# Allegro board SDHCalFEB.brd (continued)
## Placement (name value [footprint] x y rotation side) (continued)
R1658  1M  [SR0603_1M]  60.71 254.47 270 top
R1659  1M  [SR0603_1M]  132.96 252.7 180 top
R1660  1M  [SR0603_1M]  52.95 252.7 180 top
R1661  1M  [SR0603_1M]  201.43 252.68 0 top
R1662  1M  [SR0603_1M]  121.45 252.66 0 top
R1663  1M  [SR0603_1M]  41.44 252.68 0 top
R1664  1M  [SR0603_1M]  192.9 253.67 0 top
R1665  1M  [SR0603_1M]  112.91 253.7 0 top
R1666  1M  [SR0603_1M]  332.96 241.68 180 top
R1667  1M  [SR0603_1M]  181.44 251.77 0 top
R1668  1M  [SR0603_1M]  322.95 242.69 180 top
R1669  1M  [SR0603_1M]  173.96 240.71 180 top
R1670  1M  [SR0603_1M]  71.43 242.7 0 top
R1671  1M  [SR0603_1M]  161.43 242.7 0 top
R1672  1M  [SR0603_1M]  62.96 242.69 180 top
R1673  1M  [SR0603_1M]  231.43 242.68 0 top
R1674  1M  [SR0603_1M]  151.44 242.68 0 top
R1675  1M  [SR0603_1M]  292.95 242.69 180 top
R1676  1M  [SR0603_1M]  221.45 242.7 0 top
R1677  1M  [SR0603_1M]  141.44 242.7 0 top
R1678  1M  [SR0603_1M]  282.93 245.2 270 top
R1679  1M  [SR0603_1M]  212.97 242.69 180 top
R1680  1M  [SR0603_1M]  271.94 242.19 0 top
R1681  1M  [SR0603_1M]  82.97 229.23 180 top
R1682  1M  [SR0603_1M]  261.91 242.19 0 top
R1683  1M  [SR0603_1M]  111.95 242.19 0 top
R1684  1M  [SR0603_1M]  78.06 232.19 0 top
R1685  1M  [SR0603_1M]  334.43 233.19 180 top
R1686  1M  [SR0603_1M]  101.91 242.19 0 top
R1687  1M  [SR0603_1M]  30.33 244.01 270 top
R1688  1M  [SR0603_1M]  324.3 232.23 180 top
R1689  1M  [SR0603_1M]  251.46 235.22 270 top
R1690  1M  [SR0603_1M]  319.26 232.98 270 top
R1691  1M  [SR0603_1M]  92.95 252.7 180 top
R1692  1M  [SR0603_1M]  80.74 249.95 90 top
R1693  1M  [SR0603_1M]  150.73 254.45 270 top
R1694  1M  [SR0603_1M]  141.49 253.72 180 top
R1695  1M  [SR0603_1M]  212.97 252.7 180 top
R1696  1M  [SR0603_1M]  272.93 253.7 0 top
R1697  1M  [SR0603_1M]  261.45 251.72 0 top
R1698  1M  [SR0603_1M]  81.44 242.68 0 top
R1699  1M  [SR0603_1M]  253.19 241.49 270 top
R1700  1M  [SR0603_1M]  312.97 242.67 180 top
R1701  1M  [SR0603_1M]  241.44 242.7 0 top
R1702  1M  [SR0603_1M]  301.43 242.68 0 top
R1703  1M  [SR0603_1M]  90.69 234.45 0 top
R1704  1M  [SR0603_1M]  122.95 242.69 180 top
R1705  1M  [SR0603_1M]  220.73 254.45 270 top
R1706  1M  [SR0603_1M]  42.97 242.69 180 top
R1707  1M  [SR0603_1M]  191.93 242.19 0 top
R1708  1M  [SR0603_1M]  181.95 242.19 0 top
R1709  1M  [SR0603_1M]  240.47 230.74 0 top
R1710  1M  [SR0603_1M]  160.73 249.95 90 top
R1711  1M  [SR0603_1M]  281.44 252.68 0 top
R1712  1M  [SR0603_1M]  93.17 241.49 270 top
R1713  1M  [SR0603_1M]  101.43 251.69 0 top
R1714  1M  [SR0603_1M]  52.95 242.69 180 top
R1715  1M  [SR0603_1M]  132.96 242.69 180 top
R1716  1M  [SR0603_1M]  202.96 242.69 180 top
R1717  1M  [SR0603_1M]  169.71 234.42 0 top
R1718  1M  [SR0603_1M]  32.92 242.94 270 top
R1719  1M  [SR0603_1M]  160.46 230.74 0 top
R1720  1M  [SR0603_1M]  43.67 234.46 270 top
R1721  1M  [SR0603_1M]  258.67 230.69 90 top
R1722  1M  [SR0603_1M]  238.11 232.21 0 top
R1723  1M  [SR0603_1M]  158.38 232.19 0 top
R1724  1M  [SR0603_1M]  91.2 221.44 0 top
R1725  1M  [SR0603_1M]  257.59 240.25 270 top
R1726  1M  [SR0603_1M]  178.63 230.77 90 top
R1727  1M  [SR0603_1M]  98.73 230.67 90 top
R1728  1M  [SR0603_1M]  81.96 220.71 90 top
R1729  1M  [SR0603_1M]  282.68 234.46 270 top
R1730  1M  [SR0603_1M]  177.7 240.38 270 top
R1731  1M  [SR0603_1M]  97.84 240.4 270 top
R1732  1M  [SR0603_1M]  95.77 238.08 0 top
R1733  1M  [SR0603_1M]  274.65 231.43 90 top
R1734  1M  [SR0603_1M]  202.67 234.46 270 top
R1735  1M  [SR0603_1M]  122.69 234.46 270 top
R1736  1M  [SR0603_1M]  24.16 242.31 270 top
R1737  1M  [SR0603_1M]  260.44 233.68 0 top
R1738  1M  [SR0603_1M]  194.66 231.45 90 top
R1739  1M  [SR0603_1M]  114.66 232.96 270 top
R1740  1M  [SR0603_1M]  21.52 218.8 0 top
R1741  1M  [SR0603_1M]  330.74 224.45 270 top
R1742  1M  [SR0603_1M]  180.4 233.68 0 top
R1743  1M  [SR0603_1M]  100.42 233.68 0 top
R1744  1M  [SR0603_1M]  21.49 242.31 270 top
R1745  1M  [SR0603_1M]  321.19 222.94 0 top
R1746  1M  [SR0603_1M]  252.43 222.24 270 top
R1747  1M  [SR0603_1M]  173.19 221.46 180 top
R1748  1M  [SR0603_1M]  93.77 211.53 180 top
R1749  1M  [SR0603_1M]  325.39 225.67 180 top
R1750  1M  [SR0603_1M]  241.18 221.47 0 top
R1751  1M  [SR0603_1M]  162.94 219.21 90 top
R1752  1M  [SR0603_1M]  83.71 211.58 180 top
R1753  1M  [SR0603_1M]  260.31 225.94 0 top
R1754  1M  [SR0603_1M]  255.81 237.77 0 top
R1755  1M  [SR0603_1M]  176.02 228.96 90 top
R1756  1M  [SR0603_1M]  86.79 211.85 90 top
R1757  1M  [SR0603_1M]  274.08 224.81 180 top
R1758  1M  [SR0603_1M]  184.12 226.36 180 top
R1759  1M  [SR0603_1M]  99.09 227.49 0 top
R1760  1M  [SR0603_1M]  24.1 191.98 90 top
R1761  1M  [SR0603_1M]  272.47 222.06 270 top
R1762  1M  [SR0603_1M]  195.11 223.85 180 top
R1763  1M  [SR0603_1M]  113.99 224.86 180 top
R1764  1M  [SR0603_1M]  21.23 192.01 90 top
R1765  1M  [SR0603_1M]  269.94 223.17 0 top
R1766  1M  [SR0603_1M]  194.2 220.02 90 top
R1767  1M  [SR0603_1M]  114.09 220.15 90 top
R1768  1M  [SR0603_1M]  21.68 216.16 0 top
R1769  1M  [SR0603_1M]  259.95 223.73 0 top
R1770  1M  [SR0603_1M]  191.72 221.42 90 top
R1771  1M  [SR0603_1M]  111.73 221.45 90 top
R1772  1M  [SR0603_1M]  91.96 202.21 0 top
R1773  1M  [SR0603_1M]  328.22 212.97 270 top
R1774  1M  [SR0603_1M]  180.68 221.47 0 top
R1775  1M  [SR0603_1M]  100.69 221.44 0 top
R1776  1M  [SR0603_1M]  85.41 200.71 180 top
R1777  1M  [SR0603_1M]  321.45 212.68 0 top
R1778  1M  [SR0603_1M]  252.95 209.75 180 top
R1779  1M  [SR0603_1M]  172.72 211.44 90 top
R1780  1M  [SR0603_1M]  78.84 199.93 90 top
R1781  1M  [SR0603_1M]  328.63 209.74 270 top
R1782  1M  [SR0603_1M]  243.61 209.91 90 top
R1783  1M  [SR0603_1M]  162.71 211.44 90 top
R1784  1M  [SR0603_1M]  32.79 191.78 90 top
R1785  1M  [SR0603_1M]  264.4 207.01 0 top
R1786  1M  [SR0603_1M]  245.11 209.66 90 top
R1787  1M  [SR0603_1M]  171.15 213.22 270 top
R1788  1M  [SR0603_1M]  30.27 190.51 90 top
R1789  1M  [SR0603_1M]  257.26 207.85 0 top
R1790  1M  [SR0603_1M]  192.68 207.74 180 top
R1791  1M  [SR0603_1M]  112.69 207.82 180 top
R1792  1M  [SR0603_1M]  42.97 201.7 180 top
R1793  1M  [SR0603_1M]  274.84 209.58 0 top
R1794  1M  [SR0603_1M]  184.18 208.71 270 top
R1795  1M  [SR0603_1M]  104.42 208.86 270 top
R1796  1M  [SR0603_1M]  94.46 190.73 180 top
R1797  1M  [SR0603_1M]  270.74 213.97 270 top
R1798  1M  [SR0603_1M]  194.49 209.35 0 top
R1799  1M  [SR0603_1M]  114.83 209.55 0 top
R1800  1M  [SR0603_1M]  83.69 189.97 90 top
R1801  1M  [SR0603_1M]  258.22 214.63 0 top
R1802  1M  [SR0603_1M]  191.97 213.44 225 top
R1803  1M  [SR0603_1M]  111.97 213.43 225 top
R1804  1M  [SR0603_1M]  72.97 191.69 180 top
R1805  1M  [SR0603_1M]  332.97 202.69 180 top
R1806  1M  [SR0603_1M]  179.96 213.69 0 top
R1807  1M  [SR0603_1M]  99.92 213.69 0 top
R1808  1M  [SR0603_1M]  59.49 193.43 315 top
R1809  1M  [SR0603_1M]  324.69 199.95 90 top
R1810  1M  [SR0603_1M]  249.94 201.7 0 top
R1811  1M  [SR0603_1M]  171.96 202.21 0 top
R1812  1M  [SR0603_1M]  50.72 189.94 90 top
R1813  1M  [SR0603_1M]  318.67 199.95 90 top
R1814  1M  [SR0603_1M]  245.47 200.69 180 top
R1815  1M  [SR0603_1M]  162.71 201.45 90 top
R1816  1M  [SR0603_1M]  39.95 190.73 0 top
R1817  1M  [SR0603_1M]  269.8 197.94 0 top
R1818  1M  [SR0603_1M]  238.99 199.92 90 top
R1819  1M  [SR0603_1M]  158.5 199.92 90 top
R1820  1M  [SR0603_1M]  92.46 182.22 180 top
R1821  1M  [SR0603_1M]  265 197.69 0 top
R1822  1M  [SR0603_1M]  192 193.75 0 top
R1823  1M  [SR0603_1M]  111.79 194.06 0 top
R1824  1M  [SR0603_1M]  81.71 181.43 90 top
R1825  1M  [SR0603_1M]  282.98 201.75 180 top
R1826  1M  [SR0603_1M]  179.45 195.33 0 top
R1827  1M  [SR0603_1M]  99.26 195.33 0 top
R1828  1M  [SR0603_1M]  71.7 181.43 90 top
R1829  1M  [SR0603_1M]  268.25 201.45 90 top
R1830  1M  [SR0603_1M]  202.95 201.73 180 top
R1831  1M  [SR0603_1M]  122.96 201.75 180 top
R1832  1M  [SR0603_1M]  60.73 179.96 90 top
R1833  1M  [SR0603_1M]  257.45 202.21 0 top
R1834  1M  [SR0603_1M]  190.22 198.96 0 top
R1835  1M  [SR0603_1M]  110.46 199.24 0 top
R1836  1M  [SR0603_1M]  51.69 181.43 90 top
R1837  1M  [SR0603_1M]  334.44 189.74 180 top
R1838  1M  [SR0603_1M]  181.43 202.69 0 top
R1839  1M  [SR0603_1M]  99.92 203.66 0 top
R1840  1M  [SR0603_1M]  41.71 181.43 90 top
R1841  1M  [SR0603_1M]  322.96 191.72 180 top
R1842  1M  [SR0603_1M]  254.46 190.73 180 top
R1843  1M  [SR0603_1M]  174.45 190.73 180 top
R1844  1M  [SR0603_1M]  312.98 191.69 180 top
R1845  1M  [SR0603_1M]  243.69 191.49 270 top
R1846  1M  [SR0603_1M]  163.7 189.97 90 top
R1848  1M  [SR0603_1M]  299.42 193.43 315 top
R1849  1M  [SR0603_1M]  232.97 191.72 180 top
R1850  1M  [SR0603_1M]  152.96 191.69 180 top
R1852  1M  [SR0603_1M]  290.73 195.45 270 top
R1853  1M  [SR0603_1M]  219.51 193.42 315 top
R1854  1M  [SR0603_1M]  139.48 193.47 315 top
R1856  1M  [SR0603_1M]  280.7 188.95 90 top
R1857  1M  [SR0603_1M]  210.72 189.94 90 top
R1858  1M  [SR0603_1M]  130.71 189.97 90 top
R1860  1M  [SR0603_1M]  269.98 190.7 0 top
R1861  1M  [SR0603_1M]  200.71 188.98 90 top
R1862  1M  [SR0603_1M]  120.7 188.98 90 top
R1864  1M  [SR0603_1M]  261.44 192.68 0 top
R1865  1M  [SR0603_1M]  189.71 191.44 0 top
R1866  1M  [SR0603_1M]  109.7 191.47 0 top
R1868  1M  [SR0603_1M]  332.49 182.22 180 top
R1869  1M  [SR0603_1M]  178.97 192.2 0 top
R1870  1M  [SR0603_1M]  98.96 192.2 0 top
R1872  1M  [SR0603_1M]  321.74 181.46 90 top
R1873  1M  [SR0603_1M]  252.48 182.22 180 top
R1874  1M  [SR0603_1M]  172.47 182.19 180 top
R1876  1M  [SR0603_1M]  311.73 181.46 90 top
R1877  1M  [SR0603_1M]  242.49 182.19 180 top
R1878  1M  [SR0603_1M]  161.7 181.43 90 top
R1880  1M  [SR0603_1M]  300.71 179.96 90 top
R1881  1M  [SR0603_1M]  232.49 182.22 180 top
R1882  1M  [SR0603_1M]  151.71 181.43 90 top
R1884  1M  [SR0603_1M]  291.72 181.43 90 top
R1885  1M  [SR0603_1M]  220.73 179.96 90 top
R1886  1M  [SR0603_1M]  140.72 179.98 90 top
R1888  1M  [SR0603_1M]  281.74 181.43 90 top
R1889  1M  [SR0603_1M]  211.71 181.43 90 top
R1890  1M  [SR0603_1M]  131.72 181.43 90 top
R1892  1M  [SR0603_1M]  268.45 182.22 0 top
R1893  1M  [SR0603_1M]  200.74 179.93 90 top
R1894  1M  [SR0603_1M]  119.96 180.7 0 top
R1896  1M  [SR0603_1M]  262.97 182.7 180 top
R1897  1M  [SR0603_1M]  188.47 182.19 0 top
R1898  1M  [SR0603_1M]  108.41 182.19 0 top
R1900  1M  [SR0603_1M]  181.43 182.75 0 top
R1901  1M  [SR0603_1M]  101.45 182.7 0 top
R1904  0  [SR0603]  319.76 252.96 270 top
R1905  0  [SR0603]  239.78 252.96 270 top
R1906  0  [SR0603]  159.77 252.96 270 top
R1907  0  [SR0603]  79.76 252.96 270 top
R1908  x  [SR0603]  322.45 252.19 180 top
R1909  x  [SR0603]  242.44 252.19 180 top
R1910  x  [SR0603]  162.46 252.19 180 top
R1911  x  [SR0603]  82.45 252.19 180 top
R1912  1M  [SR0603_1M]  332.97 172.69 180 top
R1913  1M  [SR0603_1M]  252.96 172.69 180 top
R1914  1M  [SR0603_1M]  299.97 173.71 0 top
R1915  1M  [SR0603_1M]  211.43 172.67 0 top
R1916  1M  [SR0603_1M]  52.96 172.69 180 top
R1917  1M  [SR0603_1M]  121.44 172.69 0 top
R1918  1M  [SR0603_1M]  112.9 173.71 0 top
R1919  1M  [SR0603_1M]  333.17 161.49 270 top
R1920  1M  [SR0603_1M]  253.16 161.49 270 top
R1921  1M  [SR0603_1M]  71.45 162.71 0 top
R1922  1M  [SR0603_1M]  161.44 162.71 0 top
R1923  1M  [SR0603_1M]  151.43 162.71 0 top
R1924  1M  [SR0603_1M]  220.73 174.47 270 top
R1925  1M  [SR0603_1M]  61.49 173.71 180 top
R1926  1M  [SR0603_1M]  282.96 162.71 180 top
R1927  1M  [SR0603_1M]  271.96 162.2 0 top
R1928  1M  [SR0603_1M]  191.95 162.2 0 top
R1929  1M  [SR0603_1M]  78.26 152.2 0 top
R1930  1M  [SR0603_1M]  181.94 162.2 0 top
R1931  1M  [SR0603_1M]  101.96 162.2 0 top
R1932  1M  [SR0603_1M]  29.84 161.9 270 top
R1933  1M  [SR0603_1M]  320.45 150.72 0 top
R1934  1M  [SR0603_1M]  172.95 172.72 180 top
R1935  1M  [SR0603_1M]  92.96 172.69 180 top
R1936  1M  [SR0603_1M]  319.96 173.71 0 top
R1937  1M  [SR0603_1M]  240.74 174.47 270 top
R1938  1M  [SR0603_1M]  161.49 173.71 180 top
R1939  1M  [SR0603_1M]  79.96 173.71 0 top
R1940  1M  [SR0603_1M]  310.74 169.95 90 top
R1941  1M  [SR0603_1M]  230.73 169.93 90 top
R1942  1M  [SR0603_1M]  150.75 169.93 90 top
R1943  1M  [SR0603_1M]  70.74 169.93 90 top
R1944  1M  [SR0603_1M]  139.95 173.71 0 top
R1945  1M  [SR0603_1M]  291.44 172.72 0 top
R1946  1M  [SR0603_1M]  132.97 172.72 180 top
R1947  1M  [SR0603_1M]  281.43 172.72 0 top
R1948  1M  [SR0603_1M]  41.45 172.69 0 top
R1949  1M  [SR0603_1M]  272.92 173.71 0 top
R1950  1M  [SR0603_1M]  193.68 174.47 270 top
R1951  1M  [SR0603_1M]  93.93 160.73 180 top
R1952  1M  [SR0603_1M]  262.2 172.49 270 top
R1953  1M  [SR0603_1M]  181.43 171.7 0 top
R1954  1M  [SR0603_1M]  101.42 171.7 0 top
R1955  1M  [SR0603_1M]  81.43 162.71 0 top
R1956  1M  [SR0603_1M]  173.15 161.49 270 top
R1957  1M  [SR0603_1M]  321.45 162.69 0 top
R1958  1M  [SR0603_1M]  312.94 162.71 180 top
R1959  1M  [SR0603_1M]  231.45 162.69 0 top
R1960  1M  [SR0603_1M]  52.95 162.71 180 top
R1961  1M  [SR0603_1M]  302.96 162.71 180 top
R1962  1M  [SR0603_1M]  221.45 162.72 0 top
R1963  1M  [SR0603_1M]  141.44 162.72 0 top
R1964  1M  [SR0603_1M]  42.97 162.71 180 top
R1965  1M  [SR0603_1M]  292.98 162.68 180 top
R1966  1M  [SR0603_1M]  212.97 162.71 180 top
R1967  1M  [SR0603_1M]  132.96 162.71 180 top
R1968  1M  [SR0603_1M]  92.95 147.72 180 top
R1969  1M  [SR0603_1M]  202.96 162.71 180 top
R1970  1M  [SR0603_1M]  122.95 162.71 180 top
R1971  1M  [SR0603_1M]  80.48 150.73 0 top
R1972  1M  [SR0603_1M]  111.95 162.21 0 top
R1973  1M  [SR0603_1M]  261.93 162.18 0 top
R1974  1M  [SR0603_1M]  332.22 154.43 180 top
R1975  1M  [SR0603_1M]  201.43 172.7 0 top
R1976  1M  [SR0603_1M]  241.44 162.69 0 top
R1977  1M  [SR0603_1M]  61.45 162.72 0 top
R1978  1M  [SR0603_1M]  253 147.72 180 top
R1979  1M  [SR0603_1M]  172.96 147.65 180 top
R1980  1M  [SR0603_1M]  32.62 160.75 270 top
R1981  1M  [SR0603_1M]  240.47 150.73 0 top
R1982  1M  [SR0603_1M]  161.24 149.97 90 top
R1983  1M  [SR0603_1M]  42.7 154.45 270 top
R1984  1M  [SR0603_1M]  317.84 152.2 0 top
R1985  1M  [SR0603_1M]  237.93 152.2 0 top
R1986  1M  [SR0603_1M]  157.95 152.2 0 top
R1987  1M  [SR0603_1M]  91.42 139.75 0 top
R1988  1M  [SR0603_1M]  258.77 150.66 90 top
R1989  1M  [SR0603_1M]  178.79 150.63 90 top
R1990  1M  [SR0603_1M]  98.78 150.63 90 top
R1991  1M  [SR0603_1M]  81.44 139.78 0 top
R1992  1M  [SR0603_1M]  257.84 159.93 270 top
R1993  1M  [SR0603_1M]  177.78 160.34 270 top
R1994  1M  [SR0603_1M]  97.34 160.14 270 top
R1995  1M  [SR0603_1M]  97.3 157.45 180 top
R1996  1M  [SR0603_1M]  282.71 154.45 270 top
R1997  1M  [SR0603_1M]  202.72 154.45 270 top
R1998  1M  [SR0603_1M]  122.69 154.45 270 top
R1999  1M  [SR0603_1M]  23.83 160.26 270 top
R2000  1M  [SR0603_1M]  274.65 151.44 90 top
R2001  1M  [SR0603_1M]  194.64 151.44 90 top
R2002  1M  [SR0603_1M]  114.65 151.44 90 top
R2003  1M  [SR0603_1M]  23.14 139.59 270 top
R2004  1M  [SR0603_1M]  260.46 153.67 0 top
R2005  1M  [SR0603_1M]  180.45 153.67 0 top
R2006  1M  [SR0603_1M]  100.47 153.67 0 top
R2007  1M  [SR0603_1M]  21.14 160.24 270 top
R2008  1M  [SR0603_1M]  332.69 142.97 270 top
R2009  1M  [SR0603_1M]  252.92 140.69 0 top
R2010  1M  [SR0603_1M]  173.7 139.95 180 top
R2011  1M  [SR0603_1M]  93.67 129.93 90 top
R2012  1M  [SR0603_1M]  321.93 142.22 0 top
R2013  1M  [SR0603_1M]  242.72 141.44 90 top
R2014  1M  [SR0603_1M]  161.98 142.23 270 top
R2015  1M  [SR0603_1M]  81.95 132.19 0 top
R2016  1M  [SR0603_1M]  328.78 145.41 270 top
R2017  1M  [SR0603_1M]  255.51 157.04 180 top
R2018  1M  [SR0603_1M]  175.86 156.56 180 top
R2019  1M  [SR0603_1M]  85.94 128.76 0 top
R2020  1M  [SR0603_1M]  259.32 147.3 0 top
R2021  1M  [SR0603_1M]  183.96 146.3 180 top
R2022  1M  [SR0603_1M]  100.39 148.39 0 top
R2023  1M  [SR0603_1M]  24.48 112.61 90 top
R2024  1M  [SR0603_1M]  274.74 144.27 180 top
R2025  1M  [SR0603_1M]  194.76 143.96 180 top
R2026  1M  [SR0603_1M]  114.85 143.86 180 top
R2027  1M  [SR0603_1M]  21.84 112.61 90 top
R2028  1M  [SR0603_1M]  274.06 139.79 90 top
R2029  1M  [SR0603_1M]  194.03 140.06 90 top
R2030  1M  [SR0603_1M]  114.09 140.04 90 top
R2031  1M  [SR0603_1M]  23.36 135.44 90 top
R2032  1M  [SR0603_1M]  271.7 141.44 90 top
R2033  1M  [SR0603_1M]  191.72 141.44 90 top
R2034  1M  [SR0603_1M]  111.68 141.46 90 top
R2035  1M  [SR0603_1M]  92.92 120.7 0 top
R2036  1M  [SR0603_1M]  260.71 141.46 0 top
R2037  1M  [SR0603_1M]  180.68 141.46 0 top
R2038  1M  [SR0603_1M]  100.69 141.46 0 top
R2039  1M  [SR0603_1M]  83.66 119.95 90 top
R2040  1M  [SR0603_1M]  334.46 133.68 180 top
R2041  1M  [SR0603_1M]  254.42 130.68 180 top
R2042  1M  [SR0603_1M]  174.44 130.68 180 top
R2043  1M  [SR0603_1M]  78.46 119.95 90 top
R2044  1M  [SR0603_1M]  322.7 131.43 90 top
R2045  1M  [SR0603_1M]  241.23 132.96 270 top
R2046  1M  [SR0603_1M]  161.18 131.43 90 top
R2047  1M  [SR0603_1M]  32.43 112.18 90 top
R2048  1M  [SR0603_1M]  331.36 128.6 180 top
R2049  1M  [SR0603_1M]  245.23 129.33 180 top
R2050  1M  [SR0603_1M]  165.29 129.38 180 top
R2051  1M  [SR0603_1M]  29.79 111.08 90 top
R2052  1M  [SR0603_1M]  272.38 127.71 180 top
R2053  1M  [SR0603_1M]  192.27 127.68 180 top
R2054  1M  [SR0603_1M]  112.23 127.71 180 top
R2055  1M  [SR0603_1M]  42.97 121.69 180 top
R2056  1M  [SR0603_1M]  264.16 128.54 270 top
R2057  1M  [SR0603_1M]  184.26 128.54 270 top
R2058  1M  [SR0603_1M]  104.14 128.46 270 top
R2059  1M  [SR0603_1M]  94.45 110.71 180 top
R2060  1M  [SR0603_1M]  274.99 129.34 0 top
R2061  1M  [SR0603_1M]  194.57 129.09 0 top
R2062  1M  [SR0603_1M]  114.56 129.37 0 top
R2063  1M  [SR0603_1M]  83.7 111.5 270 top
R2064  1M  [SR0603_1M]  272 133.45 225 top
R2065  1M  [SR0603_1M]  191.93 133.42 225 top
R2066  1M  [SR0603_1M]  111.95 133.41 225 top
R2067  1M  [SR0603_1M]  72.96 111.71 180 top
R2068  1M  [SR0603_1M]  259.95 133.68 0 top
R2069  1M  [SR0603_1M]  179.94 133.66 0 top
R2070  1M  [SR0603_1M]  99.93 133.68 0 top
R2071  1M  [SR0603_1M]  59.5 113.43 315 top
R2072  1M  [SR0603_1M]  333.7 122.92 90 top
R2073  1M  [SR0603_1M]  254.47 121.69 180 top
R2074  1M  [SR0603_1M]  171.94 122.2 0 top
R2075  1M  [SR0603_1M]  50.72 109.94 90 top
R2076  1M  [SR0603_1M]  324.42 120.7 180 top
R2077  1M  [SR0603_1M]  242.69 121.45 90 top
R2078  1M  [SR0603_1M]  164.43 120.7 180 top
R2079  1M  [SR0603_1M]  39.94 110.72 0 top
R2080  1M  [SR0603_1M]  318.59 119.95 90 top
R2081  1M  [SR0603_1M]  237.71 119.95 90 top
R2082  1M  [SR0603_1M]  158.34 119.95 90 top
R2083  1M  [SR0603_1M]  91.69 101.43 90 top
R2084  1M  [SR0603_1M]  271.51 114.33 0 top
R2085  1M  [SR0603_1M]  191.83 113.92 0 top
R2086  1M  [SR0603_1M]  112.02 114.05 0 top
R2087  1M  [SR0603_1M]  81.68 101.43 90 top
R2088  1M  [SR0603_1M]  258.76 116.36 0 top
R2089  1M  [SR0603_1M]  178.83 115.35 0 top
R2090  1M  [SR0603_1M]  99.44 115.43 90 top
R2091  1M  [SR0603_1M]  71.67 101.43 90 top
R2092  1M  [SR0603_1M]  282.97 121.69 180 top
R2093  1M  [SR0603_1M]  202.96 121.69 180 top
R2094  1M  [SR0603_1M]  122.98 121.69 180 top
R2095  1M  [SR0603_1M]  60.73 99.96 90 top
R2096  1M  [SR0603_1M]  270.44 119.23 0 top
R2097  1M  [SR0603_1M]  190.48 119.23 0 top
R2098  1M  [SR0603_1M]  110.47 119.23 0 top
R2099  1M  [SR0603_1M]  51.68 101.43 90 top
R2100  1M  [SR0603_1M]  259.95 123.68 0 top
R2101  1M  [SR0603_1M]  179.94 123.68 0 top
R2102  1M  [SR0603_1M]  99.96 123.68 0 top
R2103  1M  [SR0603_1M]  40.74 99.96 90 top
R2104  1M  [SR0603_1M]  332.96 111.71 180 top
R2105  1M  [SR0603_1M]  254.47 110.71 180 top
R2106  1M  [SR0603_1M]  174.44 110.71 180 top
R2107  1M  [SR0603_1M]  323.7 111.47 270 top
R2108  1M  [SR0603_1M]  243.69 111.5 270 top
R2109  1M  [SR0603_1M]  163.71 111.5 270 top
R2111  1M  [SR0603_1M]  314.44 110.71 180 top
R2112  1M  [SR0603_1M]  233.71 111.5 270 top
R2113  1M  [SR0603_1M]  152.97 111.71 180 top
R2115  1M  [SR0603_1M]  299.53 113.42 315 top
R2116  1M  [SR0603_1M]  219.49 113.42 315 top
R2117  1M  [SR0603_1M]  139.5 113.43 315 top
R2119  1M  [SR0603_1M]  290.72 109.94 90 top
R2120  1M  [SR0603_1M]  210.71 109.97 90 top
R2121  1M  [SR0603_1M]  130.73 109.97 90 top
R2123  1M  [SR0603_1M]  280.72 109 90 top
R2124  1M  [SR0603_1M]  200.68 109 90 top
R2125  1M  [SR0603_1M]  120.7 109 90 top
R2127  1M  [SR0603_1M]  269.71 111.46 0 top
R2128  1M  [SR0603_1M]  189.72 111.46 0 top
R2129  1M  [SR0603_1M]  109.74 111.46 0 top
R2131  1M  [SR0603_1M]  259.98 110.7 0 top
R2132  1M  [SR0603_1M]  178.98 112.2 0 top
R2133  1M  [SR0603_1M]  99.02 112.2 0 top
R2135  1M  [SR0603_1M]  331.69 101.43 90 top
R2136  1M  [SR0603_1M]  252.47 102.18 180 top
R2137  1M  [SR0603_1M]  171.68 102.96 270 top
R2139  1M  [SR0603_1M]  321.69 101.46 90 top
R2140  1M  [SR0603_1M]  241.7 101.43 90 top
R2141  1M  [SR0603_1M]  161.69 101.43 90 top
R2143  1M  [SR0603_1M]  311.7 101.43 90 top
R2144  1M  [SR0603_1M]  231.69 101.43 90 top
R2145  1M  [SR0603_1M]  151.68 101.43 90 top
R2147  1M  [SR0603_1M]  300.73 99.96 90 top
R2148  1M  [SR0603_1M]  221.71 101.43 90 top
R2149  1M  [SR0603_1M]  140.74 99.96 90 top
R2151  1M  [SR0603_1M]  291.69 101.46 90 top
R2152  1M  [SR0603_1M]  211.68 101.43 90 top
R2153  1M  [SR0603_1M]  131.69 101.43 90 top
R2155  1M  [SR0603_1M]  281.5 100.73 180 top
R2156  1M  [SR0603_1M]  201.7 101.46 90 top
R2157  1M  [SR0603_1M]  119.97 100.72 0 top
R2159  1M  [SR0603_1M]  268.46 102.21 0 top
R2160  1M  [SR0603_1M]  188.48 102.21 0 top
R2161  1M  [SR0603_1M]  110.74 99.96 90 top
R2163  1M  [SR0603_1M]  261.45 102.72 0 top
R2164  1M  [SR0603_1M]  181.44 102.72 0 top
R2165  1M  [SR0603_1M]  101.46 102.7 0 top
R2168  0  [SR0603]  309.78 172.97 270 top
R2169  0  [SR0603]  229.77 172.95 270 top
R2170  0  [SR0603]  149.76 172.95 270 top
R2171  0  [SR0603]  69.78 172.95 270 top
R2172  x  [SR0603]  312.45 172.21 180 top
R2173  x  [SR0603]  232.44 172.18 180 top
R2174  x  [SR0603]  152.45 172.21 180 top
R2175  x  [SR0603]  72.44 172.21 180 top
R2176  1M  [SR0603_1M]  332.96 92.71 180 top
R2177  1M  [SR0603_1M]  252.95 92.71 180 top
R2178  1M  [SR0603_1M]  172.96 92.71 180 top
R2179  1M  [SR0603_1M]  92.95 92.71 180 top
R2180  1M  [SR0603_1M]  80.73 94.45 270 top
R2181  1M  [SR0603_1M]  310.72 94.45 270 top
R2182  1M  [SR0603_1M]  70.74 94.45 270 top
R2183  1M  [SR0603_1M]  300.74 94.45 270 top
R2184  1M  [SR0603_1M]  60.74 94.45 270 top
R2185  1M  [SR0603_1M]  292.98 92.71 180 top
R2186  1M  [SR0603_1M]  281.44 92.71 0 top
R2187  1M  [SR0603_1M]  193.68 94.45 270 top
R2188  1M  [SR0603_1M]  173.93 80.72 180 top
R2189  1M  [SR0603_1M]  161.45 82.71 0 top
R2190  1M  [SR0603_1M]  151.44 82.71 0 top
R2191  1M  [SR0603_1M]  160.74 94.45 270 top
R2192  1M  [SR0603_1M]  52.98 92.73 180 top
R2193  1M  [SR0603_1M]  41.44 92.71 0 top
R2194  1M  [SR0603_1M]  273.66 94.45 270 top
R2195  1M  [SR0603_1M]  93.92 80.72 180 top
R2196  1M  [SR0603_1M]  252.97 81.68 180 top
R2197  1M  [SR0603_1M]  241.44 82.71 0 top
R2198  1M  [SR0603_1M]  231.43 82.71 0 top
R2199  1M  [SR0603_1M]  141.44 82.71 0 top
R2200  1M  [SR0603_1M]  132.96 82.7 180 top
R2201  1M  [SR0603_1M]  122.95 82.7 180 top
R2202  1M  [SR0603_1M]  150.7 94.43 270 top
R2203  1M  [SR0603_1M]  140.72 94.45 270 top
R2204  1M  [SR0603_1M]  181.44 91.7 0 top
R2205  1M  [SR0603_1M]  101.43 91.7 0 top
R2206  1M  [SR0603_1M]  333.92 80.72 180 top
R2207  1M  [SR0603_1M]  71.43 82.71 0 top
R2208  1M  [SR0603_1M]  321.45 82.71 0 top
R2209  1M  [SR0603_1M]  311.44 82.71 0 top
R2210  1M  [SR0603_1M]  221.45 82.71 0 top
R2211  1M  [SR0603_1M]  212.97 82.7 180 top
R2212  1M  [SR0603_1M]  202.96 82.7 180 top
R2213  1M  [SR0603_1M]  240.72 94.45 270 top
R2214  1M  [SR0603_1M]  230.74 94.45 270 top
R2215  1M  [SR0603_1M]  132.96 92.71 180 top
R2216  1M  [SR0603_1M]  121.45 92.71 0 top
R2217  1M  [SR0603_1M]  112.91 93.7 0 top
R2218  1M  [SR0603_1M]  260.71 91.48 270 top
R2219  1M  [SR0603_1M]  61.43 82.71 0 top
R2220  1M  [SR0603_1M]  52.95 82.72 180 top
R2221  1M  [SR0603_1M]  301.43 82.71 0 top
R2222  1M  [SR0603_1M]  41.44 82.73 0 top
R2223  1M  [SR0603_1M]  292.95 82.72 180 top
R2224  1M  [SR0603_1M]  282.97 82.72 180 top
R2225  1M  [SR0603_1M]  320.73 94.45 270 top
R2226  1M  [SR0603_1M]  220.73 94.45 270 top
R2227  1M  [SR0603_1M]  212.97 92.71 180 top
R2228  1M  [SR0603_1M]  201.43 92.71 0 top
R2229  1M  [SR0603_1M]  81.44 82.71 0 top
R2230  1M  [SR0603_1M]  89.77 72.96 270 top
R2231  1M  [SR0603_1M]  80.48 70.72 0 top
R2232  1M  [SR0603_1M]  271.94 82.2 0 top
R2233  1M  [SR0603_1M]  191.93 82.2 0 top
R2234  1M  [SR0603_1M]  111.95 82.2 0 top
R2235  1M  [SR0603_1M]  77.25 72.19 0 top
R2236  1M  [SR0603_1M]  261.96 82.2 0 top
R2237  1M  [SR0603_1M]  182.71 82.97 270 top
R2238  1M  [SR0603_1M]  101.94 82.2 0 top
R2239  1M  [SR0603_1M]  25.21 69.52 0 top
R2240  1M  [SR0603_1M]  332.22 72.97 180 top
R2241  1M  [SR0603_1M]  249.74 72.96 270 top
R2242  1M  [SR0603_1M]  169.78 72.96 270 top
R2243  1M  [SR0603_1M]  25.16 72.17 0 top
R2244  1M  [SR0603_1M]  321.23 69.96 90 top
R2245  1M  [SR0603_1M]  240.47 70.72 0 top
R2246  1M  [SR0603_1M]  160.46 70.72 0 top
R2247  1M  [SR0603_1M]  42.97 72.72 180 top
R2248  1M  [SR0603_1M]  317.84 72.19 0 top
R2249  1M  [SR0603_1M]  237.45 72.19 0 top
R2250  1M  [SR0603_1M]  157.11 72.19 0 top
R2251  1M  [SR0603_1M]  91.46 59.19 90 top
R2252  1M  [SR0603_1M]  258.87 70.65 90 top
